# Altium PCB PCB2.PcbDoc (continued)
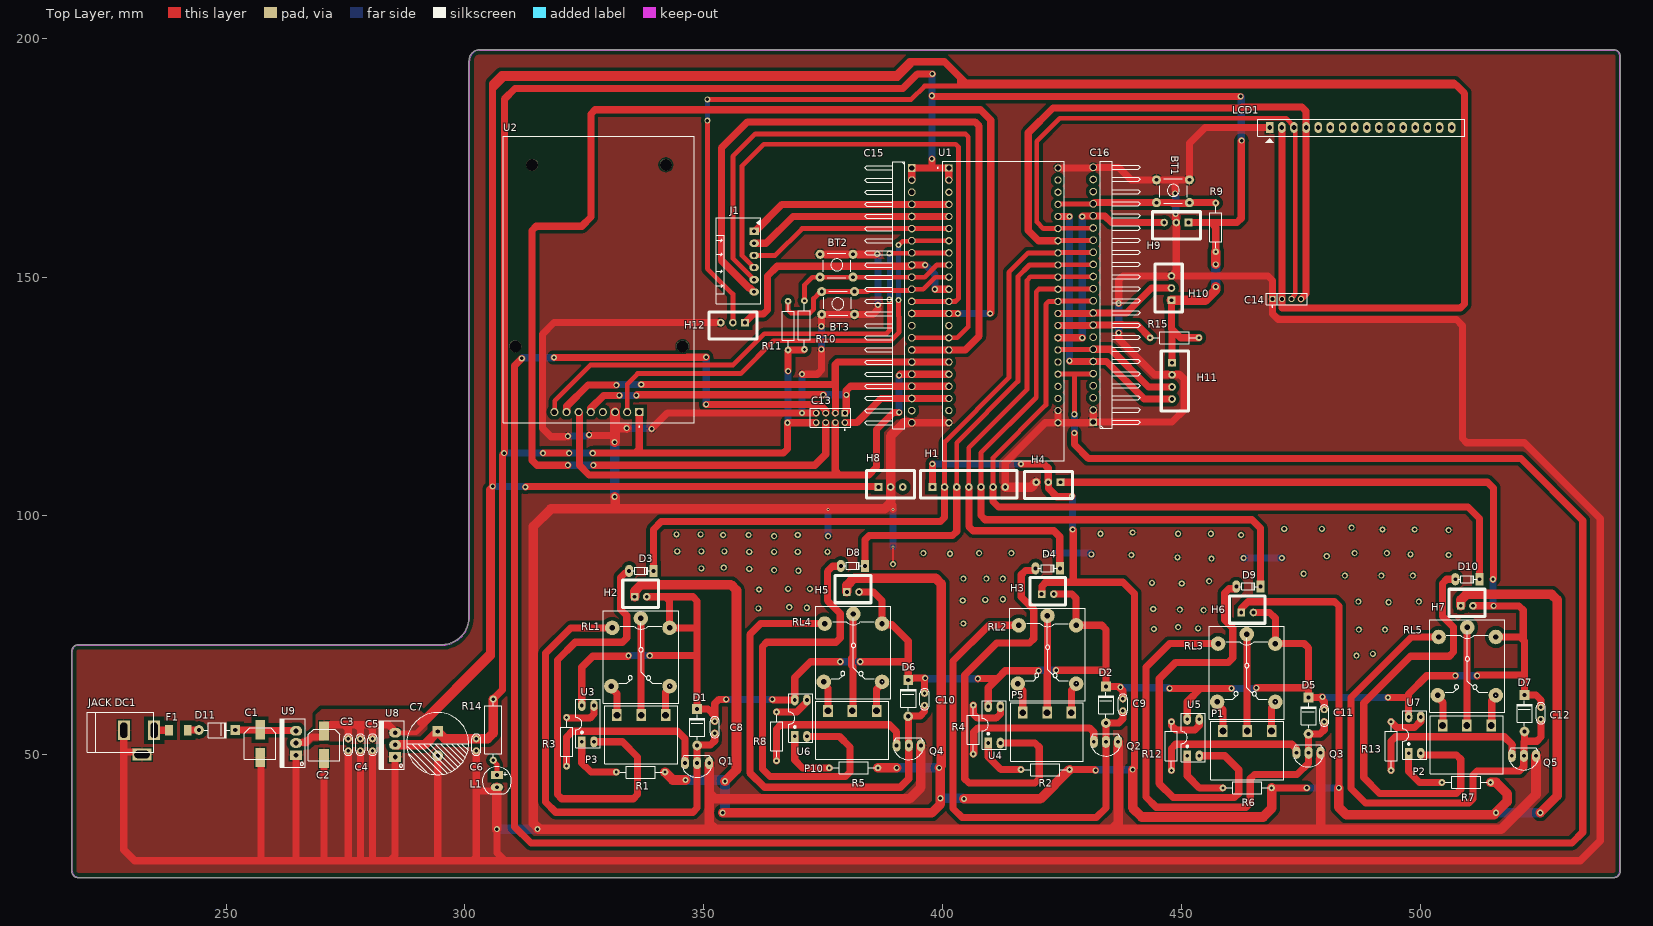
[diagram p0: Top Layer view]
## Nets (pads, with @x,y where several pads share a name; then routed paths per layer and width w, separated by ;. In a path a pad name is that pad's centre, name@x,y a point inside that pad or via, vN(x,y) a via of type N, cw(c..) or ccw(c..) an arc to the next point about the centre after c; other vN are vias at no path point) (continued)
  Top Layer w2: U8.2 291.527,52.07 C7.1 295.845,53.34 C6.1 304.771,53.34 305.943,54.512 R14.2 ; H10.1 455.041,145.161 457.2,147.32 v1(457.2,147.955) ; v1(457.2,152.654) R9.1
  Bottom Layer w1.5: v1(308.229,113.157) v1(316.357,113.157) ; v1(321.818,113.157) v1(326.771,113.157) ; v1(367.538,119.507) 367.665,119.634 v1(367.665,130.302) ; v1(397.764,174.752) 397.764,192.405 v1(397.891,192.532) ; v1(462.407,187.833) 462.534,187.706 462.534,178.647 v1(462.615,178.566)
  Bottom Layer w2: v1(457.2,147.955) v1(457.2,152.654)
DENAN: C16.13 D4.2 H1.4 U1.J3_10 | length 97.4
  Top Layer w1: H1.4 405.511,114.281 417.703,126.473 417.703,149.352 418.401,150.05 U1.J3_10@424.243,150.05 ; U1.J3_10 U1.J3_10@424.243,150.05 ; C16.13 431.482,150.05 U1.J3_10@424.243,150.05
  Top Layer w1.5: H1.4 405.511,97.78 406.39,96.901 423.291,96.901 424.561,95.631 D4.2
DENBAO: C16.11 D10.2 H1.6 U1.J3_12 | length 172.1
  Top Layer w1: H1.6 410.591,112.177 421.64,123.226 421.64,144.321 422.226,144.907 U1.J3_12 424.243,144.97 431.482,144.97 C16.11
  Top Layer w1.5: H1.6 410.593,106.043 410.593,102.995 411.734,101.854 510.032,101.854 512.445,99.441 D10.2
DENKHACH: C16.12 D9.2 H1.5 U1.J3_11 | length 135.7
  Top Layer w1: H1.5 408.051,113.229 419.608,124.786 419.608,146.893 420.194,147.479 U1.J3_11@424.212,147.479 ; U1.J3_11 U1.J3_11@424.212,147.479 ; C16.12 431.482,147.511 424.243,147.511 U1.J3_11@424.212,147.479
  Top Layer w1.5: H1.5 408.051,100.066 408.93,99.187 464.82,99.187 466.598,97.409 D9.2
DENNGU: C16.14 D8.2 H1.3 U1.J3_9 | length 100.7
  Top Layer w1: H1.3 402.971,115.333 415.798,128.16 415.798,150.114 418.211,152.527 U1.J3_9 ; U1.J3_9@424.243,152.59 431.482,152.59 C16.14
  Top Layer w1.5: D8.2 383.794,95.006 384.673,95.885 402.092,95.885 402.971,96.764 H1.3
DHT11: C16.10 H10.2 U1.J3_13 | length 26
  Top Layer w1.5: U1.J3_13 431.392,142.367 431.519,142.494 C16.10 438.531,142.494 443.738,147.701 H10.2
GAS_A0: C16.6 H11.4 U1.J3_5 | length 57.5
  Top Layer w1.5: U1.J3_5 v1(426.593,162.687) ; v1(426.593,132.461) 426.72,132.334 C16.6 431.565,132.315 434.359,132.315 442.214,124.46 H11.4
  Bottom Layer w1.5: v1@426.593,132.334 v1(426.593,132.461) v1(426.593,162.687)
GAS_D0: C16.7 H11.3 U1.J3_16 | length 27.2
  Top Layer w1: U1.J3_16 424.243,134.81 431.482,134.81 C16.7
  Top Layer w1.5: C16.7 435.229,134.874 443.103,127 H11.3
GND: "JACK DC1.2" "JACK DC1.3" BT1.1 BT2.1 BT3.1 C1.2 C2.2 C3.2 C4.2 C5.2 C6.2 C7.2 C13.4 C14.1 C15.22 C16.1 C16.2 C16.22 H1.7 H4.3 H8.2 H9.2 H10.3 H11.2 H12.3 L1.2 LCD1.1 Q1.1 Q2.1 Q3.1 Q4.1 Q5.1 U1.J1_22 U1.J3_1 U1.J3_21 U1.J3_22 U2.3 U8.1 U9.1 | length 1675.6
  Top Layer w0.5: v1(389.636,89.916) v2(389.636,93.472)
  Top Layer w1.5: 228.6,55.118 228.6,50.558 ; 232.41,50.038 231.89,50.558 228.6,50.558 ; C1.2 257.302,49.25 257.302,27.813 ; U9.1 264.668,28.067 264.414,27.813 ; C2.2 270.51,27.94 270.383,27.813 ; C3.2 275.59,27.813 ; C4.2 278.13,27.94 278.003,27.813 ; C5.2 280.67,28.194 281.051,27.813 ; U8.1 285.407,28.867 284.353,27.813 ; C7.2 294.321,28.383 293.751,27.813 ; C6.2 302.387,42.418 ; v1(306.705,34.417) 306.705,29.464 308.356,27.813 ; L1.2 306.22,43.18 305.458,42.418 302.387,42.418 ; v1(321.564,116.713) 321.437,116.586 318.008,116.586 316.23,118.364 316.23,138.049 318.643,140.462 H12.3 ; v1(326.009,116.967) 326.136,116.84 331.437,116.84 ; v1(339.09,118.237) 342.392,121.539 v1(370.586,121.539) 370.602,121.523 C13.4 ; v1(370.586,129.667) 373.771,129.667 374.65,130.546 v1(374.65,134.874) ; BT2.1@374.371,154.762 381.254,154.762 386.283,154.762 v1(386.334,154.813) ; v1(374.65,139.7) 374.65,142.138 374.701,142.189 381.584,142.189 385.455,142.189 386.461,143.195 v1(386.461,144.145) ; v2(376.047,101.346) v2@376.174,101.473 ; 389.128,102.743 389.636,102.235 v2(389.636,101.346) ; C15.22 U1.J1_22 ; H1.7 413.131,111.125 421.513,119.507 U1.J3_22 ; U1.J3_21 U1.J3_22 ; U1.J3_1 431.392,172.847 431.519,172.974 C16.22 436.826,172.974 439.442,170.358 444.805,170.358 448.691,170.358 ; C16.2 C16.1 ; v1(436.88,138.303) 436.88,137.033 444.354,129.559 448.037,129.559 H11.2 449.717,129.54 450.596,128.661 450.596,122.174 448.056,119.634 C16.1 ; v1(436.88,144.526) 436.88,149.362 437.759,150.241 H10.3 ; v1(448.691,167.513) 448.691,170.358 ; v1(448.818,163.195) 448.818,162.179 448.926,162.071 448.926,161.436 H9.2 ; H9.2@448.945,161.39 448.945,151.284 447.929,150.268 H10.3 ; LCD1.1 454.997,181.312 451.688,178.003 451.688,170.358 448.691,170.358 ; 228.6,50.558 228.6,30.099 230.886,27.813 257.302,27.813 ; 257.302,27.813 264.414,27.813 ; 264.414,27.813 270.383,27.813 ; 270.383,27.813 275.59,27.813 ; 275.59,27.813 278.003,27.813 ; 278.003,27.813 281.051,27.813 ; 281.051,27.813 284.353,27.813 ; 284.353,27.813 293.751,27.813 ; 293.751,27.813 301.625,27.813 ; 301.625,27.813 308.356,27.813 ; 301.625,27.813 302.387,28.575 302.387,42.418 ; 308.356,27.813 533.527,27.813 537.718,32.004 537.718,99.441 521.843,115.316 509.768,115.316 508.889,116.195 508.889,139.827 507.619,141.097 470.281,141.097 469.059,142.319 C14.1 469.059,149.304 468.122,150.241 H10.3 ; U1.J3_22 431.419,119.507 C16.1
  Top Layer w2: v1(306.705,34.417) L1.2 ; v1(315.214,34.417) 315.214,34.798 314.325,35.687 314.325,97.79 318.008,101.473 331.47,101.473 ; v1@315.595,34.417 352.327,34.417 ; v1(331.343,104.013) 331.47,103.886 331.47,101.473 ; v1(331.343,115.443) 331.437,115.537 331.437,116.84 331.437,118.491 ; U2.3 331.437,118.491 ; v1(333.883,118.364) 333.756,118.491 331.437,118.491 ; Q1.1 351.155,42.037 ; C15.22 391.922,119.507 389.128,116.713 H8.2 389.128,102.743 387.858,101.473 376.174,101.473 331.47,101.473 ; Q4.1 395.478,43.18 393.065,40.767 352.425,40.767 351.155,42.037 ; H1.7 418.592,106.045 H4.3 ; 435.835,34.671 436.753,35.589 Q2.1 ; Q3.1 479.171,34.544 479.044,34.417 ; Q5.1 524.256,41.656 517.017,34.417 479.044,34.417 ; 351.155,42.037 351.155,35.589 352.327,34.417 ; 352.327,34.417 479.044,34.417
  Bottom Layer w1.5: v1(321.564,116.713) 325.755,116.713 v1(326.009,116.967) ; v1(333.883,118.364) 338.963,118.364 v1(339.09,118.237) ; v1(370.586,121.539) v1(370.586,129.667) ; v1(374.65,134.874) v1(374.65,139.7) ; v1(376.047,95.758) v2(376.047,101.346) ; v1(386.334,154.813) 386.461,154.686 v1(386.461,144.145) ; v2(389.636,93.472) v2(389.636,101.346) ; v1(421.767,92.202) 430.911,92.202 v1(431.165,91.948) ; v1(436.88,138.303) v1(436.88,144.526) ; v1(448.691,167.513) 448.818,167.386 v1(448.818,163.195) ; v1(463.042,91.186) v1(471.043,91.186)
  Bottom Layer w2: v1(306.705,34.417) v1(315.214,34.417) ; v1(331.343,104.013) v1(331.343,115.443)
  other v1: 486.664,70.739 490.093,71.12 487.172,76.2 492.633,76.2 444.246,76.327 453.517,76.454 449.326,76.708 404.368,77.47 454.66,80.264 449.707,80.391 444.119,80.518 361.442,80.645 371.602,80.772 367.919,80.899 493.395,81.915 487.045,82.042 499.745,82.042 404.241,82.296 408.94,82.423 412.623,82.55 361.569,84.582 367.665,84.709 372.237,84.709 450.088,85.852 443.865,85.979 455.803,86.36 404.368,86.868 409.194,86.868 412.623,86.868 484.251,87.503 491.871,87.503 498.475,87.503 475.615,87.884 369.824,88.519 364.744,88.646 359.537,88.9 349.504,89.027 354.203,89.154 456.311,91.059 449.199,91.313 480.441,91.567 439.547,91.821 505.968,91.821 497.967,91.948 401.574,92.075 395.986,92.202 407.67,92.202 414.401,92.202 486.283,92.202 493.014,92.202 359.537,92.456 364.744,92.456 369.697,92.456 375.92,92.456 344.461,92.561 349.504,92.583 354.33,92.583 364.744,95.758 354.076,96.012 359.41,96.012 369.697,96.012 462.534,96.012 344.297,96.139 349.377,96.139 433.07,96.266 449.326,96.266 456.184,96.266 439.801,96.52 505.968,97.028 492.125,97.155 498.856,97.155 471.551,97.282 479.425,97.282 485.648,97.536
GPIO0: C16.9 R15.1 U1.J3_14 | length 20.6
  Top Layer w1.5: U1.J3_14 431.392,139.827 431.519,139.954 C16.9 435.985,139.954 436.134,140.103 437.626,140.103 437.775,139.954 440.797,139.954 R15.1
IRSENSOR: C16.18 H9.3 U1.J3_15 | length 48.2
  Top Layer w1.5: U1.J3_15 v1(429.26,137.287) ; v1(429.26,162.687) 429.368,162.795 431.527,162.795 C16.18 431.565,162.795 433.978,162.795 435.356,161.417 H9.3@446.378,161.417
  Bottom Layer w1.5: v1(429.26,137.287) v1(429.26,162.687)
LCD_SCL: C14.4 C16.16 LCD1.4 U1.J3_7 | length 135.5
  Top Layer w1: U1.J3_7 424.243,157.671 431.482,157.671 C16.16
  Top Layer w1.5: U1.J3_7 420.08,157.607 417.939,159.748 417.939,180.231 423.128,185.42 462.54,185.42 462.703,185.583 475.244,185.583 476.123,184.705 476.123,146.479 C14.4
LCD_SDA: C14.3 C16.17 LCD1.3 U1.J3_6 | length 122.5
  Top Layer w1: C16.17 431.482,160.21 424.243,160.21 U1.J3_6 421.132,160.147 419.735,161.544 419.735,178.435 424.555,183.255 471.936,183.255 473.583,181.607 473.583,180.8 473.837,180.546 473.837,146.385 473.509,146.057 473.509,145.946 473.059,145.496 C14.3
LORA_DIO0: C13.8 C15.20 U1.J1_20 | length 23.9
  Top Layer w1.5: C13.8 382.032,119.523 387.096,124.587 C15.20 U1.J1_20
LORA_NSS: C13.6 C15.13 U1.J1_13 | length 294.6
  Top Layer w1.5: v1(321.564,110.617) 315.087,110.617 314.071,111.633 314.071,159.776 314.95,160.655 324.485,160.655 326.39,162.56 326.39,184.16 327.269,185.039 407.924,185.039 410.083,182.88 410.083,142.494 v1(409.956,142.367) ; v1(326.898,110.617) 373.253,110.617 375.555,112.919 C13.6 ; C15.13 U1.J1_13 v1(403.225,142.367)
  Bottom Layer w1.5: v1(321.564,110.617) v1(326.898,110.617) ; v1(403.225,142.367) v1(409.956,142.367)
LORA_RST: C13.3 C16.5 U1.J3_18 | length 599.9
  Top Layer w1: U1.J3_18 424.243,129.731 427.609,129.731 ; v1(427.609,121.285) 427.609,129.731 ; C16.5 431.482,129.731 427.609,129.731
  Top Layer w1.5: v1(311.912,132.969) 310.388,131.445 310.388,34.925 313.817,31.496 531.759,31.496 534.035,33.772 534.035,99.06 521.081,112.014 430.53,112.014 427.609,114.935 v1(427.609,117.348) ; v1(318.665,133.159) 346.47,133.159 346.534,133.223 v1(350.52,133.223) ; v1(350.52,123.339) 374.285,123.339 375.555,122.069 C13.3
  Bottom Layer w1.5: v1(311.912,132.969) 312.039,133.096 318.602,133.096 v1(318.665,133.159) ; v1(350.52,123.339) v1(350.52,133.223) ; v1(427.609,117.348) v1(427.609,121.285)
MISO: C13.1 C15.19 U1.J1_19 U2.5 | length 82.1
  Top Layer w1.5: U2.5 326.357,122.522 329.057,125.222 v1(332.359,125.222) ; v1(335.915,125.222) 336.042,125.349 v1(375.031,125.349) ; C13.1 379.857,121.825 379.857,126.248 380.736,127.127 U1.J1_19
  Bottom Layer w1.5: v1(332.359,125.222) v1(335.915,125.222) ; v1(375.031,125.349) v1(379.857,125.349)
MOSI: C13.7 C15.18 U1.J1_18 U2.6 | length 118.6
  Top Layer w1.5: U2.6 323.817,121.688 323.977,121.528 323.977,110.607 325.999,108.585 378.434,108.585 ; C13.7 377.555,109.464 378.434,108.585 ; v1(390.906,121.666) 389.763,121.666 386.207,118.11 386.207,110.236 384.556,108.585 378.434,108.585 ; v1(390.906,129.413) 391.141,129.648 393.554,129.648 C15.18 U1.J1_18
  Bottom Layer w1.5: v1(390.906,121.666) v1(390.906,129.413)
MOTOR_ENA: C15.4 J1.1 U1.J1_4 | length 43.1
  Top Layer w1.5: J1.1 360.803,159.61 366.42,165.227 C15.4 U1.J1_4
MOTOR_ENB: C15.16 J1.6 U1.J1_16 | length 149
  Top Layer w1.5: J1.6 359.813,147.65 359.557,147.65 353.695,153.512 353.695,177.038 359.156,182.499 406.791,182.499 407.67,181.62 407.67,137.668 404.749,134.747 U1.J1_16 C15.16
MOTOR_IN1: C15.5 J1.2 U1.J1_5 | length 43.1
  Top Layer w1.5: J1.2 363.064,157.07 368.681,162.687 C15.5 U1.J1_5
MOTOR_IN2: C15.6 J1.3 U1.J1_6 | length 43.1
  Top Layer w1: J1.3 364.969,154.53 370.586,160.147 C15.6 U1.J1_6
MOTOR_IN3: C15.12 J1.4 U1.J1_12 | length 111.5
  Top Layer w1: J1.4 358.013,154.53 358.013,173.228 362.585,177.8 402.766,177.8 403.352,177.214 403.352,145.542 402.717,144.907 U1.J1_12 C15.12
MOTOR_IN4: C15.15 J1.5 U1.J1_15 | length 131.7
  Top Layer w1: J1.5 356.108,153.895 356.108,175.26 360.807,179.959 404.798,179.959 405.384,179.373 405.384,139.573 403.098,137.287 C15.15
NetC1_1: C1.1 D11.2 U9.3 | length 12.8
  Top Layer w1.5: D11.2 257.075,55.171 C1.1 257.259,55.093 264.566,55.093 U9.3
NetC8_2: C8.2 D1.1 Q1.2 RL1.4 | length 99.1
  Top Layer w1.5: RL1.4 322.173,76.555 316.865,71.247 316.865,40.132 319.024,37.973 347.736,37.973 348.615,38.852 Q1.2 D1.1 348.717,52.045 351.419,52.045 352.298,52.923 C8.2
NetC9_2: C9.2 D2.1 Q2.2 RL2.4 | length 104.7
  Top Layer w1.5: RL2.4 409.706,77.093 402.209,69.596 402.209,38.735 404.114,36.83 432.181,36.83 434.213,38.862 Q2.2 D2.1 436.89,56.642 437.769,57.521 C9.2
NetC10_2: C10.2 D6.1 Q4.2 RL4.4 | length 99.1
  Top Layer w1.5: RL4.4 361.944,77.464 359.664,75.184 359.664,46.228 362.712,43.18 391.138,43.18 392.938,44.98 Q4.2 392.904,51.977 392.904,57.946 D6.1 392.913,58.141 395.361,58.141 396.24,59.019 C10.2
NetC11_2: C11.2 D5.1 Q3.2 RL3.4 | length 97.5
  Top Layer w1.5: RL3.4 447.522,73.253 442.595,68.326 442.595,41.148 444.736,39.007 463.56,39.007 464.439,39.886 464.439,44.968 465.318,45.847 474.218,45.847 476.597,48.226 476.597,50.385 Q3.2 D5.1 479.054,54.356 479.933,55.235 C11.2
NetC12_2: C12.2 D7.1 Q5.2 RL5.4 | length 101.1
  Top Layer w1.5: RL5.4 498.195,74.65 485.521,61.976 485.521,42.926 488.569,39.878 510.169,39.878 511.048,40.757 511.048,45.73 511.927,46.609 520.804,46.609 521.682,47.488 521.682,49.75 Q5.2 521.75,49.818 521.75,52.739 521.843,52.832 ; D7.1 521.843,52.832 ; C12.2 525.272,53.711 524.393,52.832 521.843,52.832
NetD3_1: D3.1 U3.2 | length 96.2
  Top Layer w1.5: U3.2 332.994,52.705 336.169,49.53 336.169,41.646 335.29,40.767 320.294,40.767 319.415,41.646 319.415,69.86 323.088,73.533 333.004,73.533 333.883,74.412 333.883,79.121 332.613,80.391 332.613,87.091 333.538,88.016 334.321,88.016 334.391,88.086 D3.1
NetD4_1: D4.1 U4.2 | length 89.1
  Top Layer w1.5: U4.2 419.364,52.451 420.243,51.572 420.243,44.948 419.364,44.069 405.522,44.069 404.644,44.948 404.644,66.697 411.353,73.406 418.221,73.406 419.1,74.285 419.1,80.391 416.488,83.003 416.488,87.675 417.366,88.554 419.411,88.554 419.481,88.623 D4.1
NetD8_1: D8.1 U6.2 | length 95.5
  Top Layer w1.5: U6.2 378.373,53.848 380.619,51.602 380.619,46.385 379.678,45.444 363.877,45.444 362.331,46.99 362.331,72.654 363.21,73.533 377.708,73.533 378.587,74.412 378.587,79.587 375.92,82.254 375.92,88.392 376.992,89.464 378.644,89.464 378.714,89.533 D8.1
NetD9_1: D9.1 U5.2 | length 90.1
  Top Layer w1.5: U5.2 453.771,49.414 453.782,49.403 453.782,49.784 459.105,49.784 462.026,46.863 462.026,41.9 461.147,41.021 448.31,41.021 445.389,43.942 445.389,65.913 448.818,69.342 459.877,69.342 460.756,70.221 460.756,76.551 459.105,78.202 459.105,83.865 459.984,84.744 461.448,84.744 461.518,84.813 D9.1
NetD10_1: D10.1 U7.2 | length 94.6
  Top Layer w1.5: U7.2 500.126,49.929 500.137,49.917 507.629,49.917 508.508,49.039 508.508,42.789 507.629,41.91 491.49,41.91 488.188,45.212 488.188,60.833 497.967,70.612 506.105,70.612 506.984,71.491 506.984,76.708 504.698,78.994 504.698,85.857 505.577,86.735 507.359,86.735 D10.1
NetD11_1: D11.1 F1.2 | length 2.4
  Top Layer w1.5: F1.2 242.012,55.144 244.299,55.144 D11.1
NetF1_1: "JACK DC1.1" F1.1 | length 3.1
  Top Layer w1.5: 234.95,55.118 F1.1
NetL1_1: L1.1 R14.1 | length 3.3
  Top Layer w1: R14.1@305.974,48.749 305.984,48.749 306.705,48.028 L1.1
NetP1_1: P1.1 RL3.2 | length 6.4
  Top Layer w1.5: P1.1 468.884,59.829 469.69,60.635 RL3.2
NetP1_2: P1.2 RL3.1 | length 20.3
  Top Layer w1.5: RL3.1 463.747,75.196 463.747,55.028 P1.2
NetP1_3: P1.3 RL3.3 | length 6.6
  Top Layer w1.5: RL3.3 457.498,60.635 458.711,59.421 P1.3
NetP2_1: P2.1 RL5.2 | length 6.4
  Top Layer w1.5: P2.1@514.985,56.368 514.985,61.335 515.858,62.208 RL5.2
NetP2_2: P2.2 RL5.1 | length 20.2
  Top Layer w1.5: P2.2@509.793,56.48 509.793,76.586 RL5.1
NetP2_3: P2.3 RL5.3 | length 6.6
  Top Layer w1.5: RL5.3 503.666,62.032 504.812,60.886 P2.3@504.812,56.368
NetP3_1: P3.1 RL1.2 | length 6.4
  Top Layer w1.5: P3.1 342.011,63.091 342.856,63.937 RL1.2
NetP3_2: P3.2 RL1.1 | length 20.3
  Top Layer w1.5: RL1.1 336.894,78.518 336.894,58.311 P3.2
NetP3_3: P3.3 RL1.3 | length 6.6
  Top Layer w1.5: RL1.3 330.664,63.937 331.838,62.762 P3.3
NetP5_1: P5.1 RL2.2 | length 6.5
  Top Layer w1.5: P5.1 426.974,63.517 427.974,64.517 RL2.2
NetP5_2: P5.2 RL2.1 | length 20.3
  Top Layer w1.5: P5.2 421.894,59.292 421.912,59.31 421.912,66.815 421.974,66.877 RL2.1
NetP5_3: P5.3 RL2.3 | length 6.5
  Top Layer w1.5: RL2.3 415.782,64.474 416.801,63.455 P5.3
NetP10_1: P10.1 RL4.2 | length 6.6
  Top Layer w1.5: P10.1 386.196,63.707 387.334,64.845 RL4.2
NetP10_2: P10.2 RL4.1 | length 20.6
  Top Layer w1.5: P10.2 381.225,59.291 381.225,68.476 380.978,68.723 380.978,70.215 381.225,70.462 381.225,79.355 RL4.1
NetP10_3: P10.3 RL4.3 | length 6.4
  Top Layer w1.5: RL4.3 375.142,64.845 376.023,63.964 P10.3
NetQ1_3: Q1.3 R3.2 | length 37.1
  Top Layer w1.5: R3.2 321.31,53.721 322.487,54.898 344.517,54.898 346.075,53.34 Q1.3
NetQ2_3: Q2.3 R4.2 | length 32.5
  Top Layer w1.5: R4.2 406.444,50.186 406.527,50.269 406.527,54.747 407.406,55.626 430.784,55.626 431.673,54.737 Q2.3
NetQ3_3: Q3.3 R12.2 | length 32.3
  Top Layer w1.5: R12.2 447.929,51.318 448.808,52.197 473.124,52.197 474.057,51.264 474.057,50.453 Q3.3
NetQ4_3: Q4.3 R8.2 | length 35.6
  Top Layer w1.5: R8.2 365.252,55.382 366.131,56.261 388.874,56.261 390.398,54.737 Q4.3
NetQ5_3: Q5.3 R13.2 | length 34.9
  Top Layer w1.5: R13.2 493.903,52.842 494.816,53.755 517.618,53.755 519.303,52.07 519.21,51.977 519.21,49.818 Q5.3
NetR1_1: R1.1 U3.1 | length 12.5
  Top Layer w1.5: U3.1 324.485,48.26 326.39,46.355 R1.1
NetR2_1: R2.1 U4.1 | length 10.9
  Top Layer w1.5: U4.1 409.575,49.53 412.213,46.892 R2.1
NetR3_1: R3.1 U3.3 | length 7.9
  Top Layer w1.5: R3.1 321.457,57.658 326.142,57.658 327.02,58.537 327.02,60.32 U3.3
NetR4_1: R4.1 U4.3 | length 9.7
  Top Layer w1.5: R4.1 406.444,58.537 407.322,57.658 411.224,57.658 412.11,58.544 412.11,60.066 U4.3
NetR5_1: R5.1 U6.1 | length 12.9
  Top Layer w1.5: U6.1 369.062,48.895 370.713,47.244 R5.1
NetR6_1: R6.1 U5.1 | length 12.7
  Top Layer w1.5: U5.1 451.231,45.593 453.771,43.053 R6.1
NetR7_1: R7.1 U7.1 | length 11.7
  Top Layer w1.5: U7.1 497.586,46.482 499.872,44.196 R7.1
NetR8_1: R8.1 U6.3 | length 7.6
  Top Layer w1.5: R8.1 369.486,58.948 371.597,61.06 371.597,61.463 U6.3
NetR12_1: R12.1 U5.3 | length 8.7
  Top Layer w1.5: R12.1 447.929,56.09 448.808,55.211 452.88,55.211 453.766,56.097 453.766,57.399 U5.3
NetR13_1: R13.1 U7.3 | length 8.1
  Top Layer w1.5: R13.1 495.1,55.719 498.822,55.719 500.121,57.018 500.121,57.907 U7.3
NUT1: BT2.2 C15.10 R10.2 U1.J1_9 | length 35.2
  Top Layer w1: R10.2 371.094,148.336 372.745,149.987 381.254,149.987 C15.10 396.24,149.987 398.78,152.527 U1.J1_9
NUT2: BT3.2 C15.11 R11.2 U1.J1_10 | length 40.2
  Top Layer w1: R11.2 367.665,143.08 368.251,142.494 372.237,142.494 372.999,143.256 372.999,145.507 374.456,146.964 384.308,146.964 384.537,147.193 392.895,147.193 393.034,147.332 393.458,147.332 C15.11 395.986,147.447 398.526,149.987 U1.J1_10
NUTTAT: BT1.2 C16.19 R9.2 U1.J3_4 | length 33.3
  Top Layer w1: U1.J3_4 424.243,165.29 431.482,165.29 C16.19
  Top Layer w1.5: C16.19 431.573,165.354 431.802,165.583 448.084,165.583 448.199,165.468 451.464,165.468 451.579,165.583 457.078,165.583 457.16,165.501 R9.2
QUAT: C16.15 D3.2 H1.2 U1.J3_8 | length 147
  Top Layer w1: H1.2 400.431,115.443 413.893,128.905 413.893,151.003 417.957,155.067 U1.J3_8 424.243,155.13 431.482,155.13 C16.15
  Top Layer w1.5: D3.2 339.471,97.155 341.122,98.806 399.552,98.806 400.431,99.685 H1.2
RFID_RST: C15.7 U1.J1_7 U2.2 | length 96.5
  Top Layer w1: U2.2 333.977,127.602 336.169,129.794 357.759,129.794 364.617,136.652 389.128,136.652 390.906,138.43 390.906,141.695 390.779,141.822 v1(390.779,145.161) ; v1(390.779,156.718) 390.852,156.718 391.626,157.492 393.458,157.492 C15.7 U1.J1_7
  Bottom Layer w1: v1(390.779,145.161) v1(390.779,156.718)
RFID_SDA: C15.8 U1.J1_8 U2.8 | length 107.2
  Top Layer w1: U2.8 318.802,121.814 318.802,124.111 326.263,131.572 356.108,131.572 362.686,138.15 388.262,138.15 388.874,138.762 v1(388.874,145.288) ; v1(388.874,154.94) 388.926,154.992 393.498,154.992 C15.8 U1.J1_8
  Bottom Layer w1: v1(388.874,145.288) v1(388.874,154.94)
RY_VCC: C8.1 C9.1 C10.1 C11.1 C12.1 D1.2 D2.2 D5.2 D6.2 D7.2 H2.2 H3.2 H4.1 H5.2 H6.2 H7.2 RL1.5 RL2.5 RL3.5 RL4.5 RL5.5 U3.4 U4.4 U5.4 U6.4 U7.4 | length 533.1
  Top Layer w1.5: U3.4 324.485,68.326 326.771,70.612 334.137,70.612 v1(334.264,70.739) ; H2.2 341.977,83.086 ; v1(338.709,70.739) 348.615,70.739 D1.2 350.911,59.563 352.298,58.176 ; 348.615,70.797 348.615,76.555 ; C8.1 352.298,58.176 ; v1(354.711,61.595) 353.177,61.595 352.298,60.716 352.298,58.176 ; v1(364.363,61.595) 364.49,61.468 U6.4 369.062,66.167 372.364,69.469 v1(378.587,69.469) ; H5.2 382.526,84.072 385.574,84.072 387.334,82.312 RL4.5 387.603,77.195 389.403,77.195 392.811,73.787 392.811,69.088 ; v1(382.778,69.469) 392.43,69.469 392.811,69.088 ; C10.1 v1@396.24,65.659 ; v1(396.367,66.04) 393.956,66.04 393.841,65.925 393.077,65.925 D6.2 392.811,69.088 ; v1(407.416,65.913) 407.479,65.977 411.543,65.977 ; U4.4 409.575,64.008 411.543,65.977 ; v1(420.116,67.564) 413.131,67.564 411.543,65.977 ; H3.2 427.096,83.624 427.974,82.745 RL2.5 433.334,77.093 434.213,76.214 434.213,67.945 ; v1(423.799,67.691) 433.959,67.691 434.213,67.945 ; H4.1 514.096,107.061 515.366,105.791 515.366,86.868 v1(515.239,86.741) ; v1(437.261,64.135) v1@437.017,64.135 ; C9.1 437.769,63.383 v1@437.017,64.135 ; v1(447.548,63.881) 454.025,63.881 ; U5.4 451.231,61.087 454.025,63.881 ; v1(460.502,63.881) 454.025,63.881 ; H6.2 468.475,79.784 469.69,78.569 RL3.5 475.752,73.253 476.631,72.375 476.631,63.754 ; v1(465.709,64.008) 476.377,64.008 476.631,63.754 ; v1(479.552,62.103) 479.181,62.103 v1@479.054,61.976 ; C11.1 479.933,61.097 v1@479.054,61.976 ; v1(493.268,61.976) 497.586,61.976 ; U7.4 497.586,61.976 ; v1(507.365,66.548) 501.396,66.548 497.586,62.738 497.586,61.976 ; H7.2 515.338,81.181 v1(515.366,81.153) 520.703,81.153 521.581,80.274 521.581,74.65 521.581,74.033 ; v1(511.937,66.548) 512.064,66.675 521.843,66.675 ; RL5.5 520.964,74.65 521.843,73.772 521.843,66.675 ; C12.1 525.272,61.468 524.256,62.484 D7.2 521.843,66.675 ; 341.977,83.086 342.856,82.208 RL1.5 348.615,76.555 ; 341.977,83.086 347.736,83.086 348.615,82.208 348.615,76.555 ; 434.213,67.945 D2.2 436.89,64.262 v1@437.017,64.135 ; 476.631,63.754 D5.2 v1@479.054,61.976
  Bottom Layer w1.5: v1(334.264,70.739) v1(338.709,70.739) ; v1(354.711,61.595) v1(364.363,61.595) ; v1(378.587,69.469) v1(382.778,69.469) ; v1(396.367,66.04) 396.494,65.913 v1(407.416,65.913) ; v1(420.116,67.564) 420.243,67.691 v1(423.799,67.691) ; v1(437.261,64.135) 437.374,64.022 447.407,64.022 v1(447.548,63.881) ; v1(460.502,63.881) 465.582,63.881 v1(465.709,64.008) ; v1(479.552,62.103) 479.679,61.976 v1(493.268,61.976) ; v1(507.365,66.548) v1(511.937,66.548) ; v1(515.239,86.741) 515.239,81.28 v1(515.366,81.153)
SCK: C13.2 C15.17 U1.J1_17 U2.7 | length 93.6
  Top Layer w1.5: U2.7 321.32,121.792 321.32,122.946 325.755,127.381 v1(331.724,127.381) ; v1(336.931,127.508) 377.593,127.508 ; C13.2 377.593,121.561 377.593,127.978 377.555,128.016 377.555,131.683 378.079,132.207 C15.17 U1.J1_17
  Bottom Layer w1.5: v1(331.724,127.381) 331.851,127.508 v1(336.931,127.508)
SEVOR: C15.9 H12.1 U1.J1_11 | length 55.7
  Top Layer w1.5: H12.1 360.426,142.24 362.468,142.24 363.347,143.119 363.347,150.241 365.379,152.273 393.292,152.273 393.546,152.527 v1(396.367,152.527) ; v1(398.399,147.447) U1.J1_11
  Bottom Layer w1.5: v1(396.367,152.527) 398.399,150.495 v1(398.399,147.447)
VCC: H1.1 H2.1 H3.1 H4.2 H5.1 H6.1 H7.1 R1.2 R2.2 R5.2 R6.2 R7.2 | length 614.5
  Top Layer w1.5: H1.1 v1(397.891,110.871) ; v1(416.433,110.871) 421.269,110.871 422.148,109.992 H4.2 422.167,107.042 422.167,105.772 423.926,104.013 426.974,104.013 v1(427.101,104.14) ; H3.1 420.801,83.674 420.801,85.277 421.63,86.106 427.355,86.106 ; R2.2 431.898,46.892 v1(432.054,46.736) ; v1(427.228,97.155) 427.355,97.028 427.355,86.106 ; v1(439.801,46.863) 440.182,47.244 440.182,83.693 437.769,86.106 427.355,86.106 ; H6.1 462.584,79.834 462.584,80.655 463.971,82.042 482.092,82.042 482.981,81.153 v1(482.981,43.053) ; R6.2 v1(476.25,43.053)
  Top Layer w2: H2.1 335.534,84.201 336.931,85.598 355.698,85.598 356.87,84.426 356.87,46.863 v1(354.457,44.45) ; R1.2 343.555,44.704 v1(346.202,44.704) ; v1(353.949,37.846) 397.764,37.846 399.542,39.624 v1(399.542,40.894) 399.542,46.99 v1(399.288,47.244) 399.712,47.668 399.712,85.793 398.54,86.965 381.507,86.965 379.984,85.442 H5.1 ; R5.2 v1(390.398,47.244) ; v1(404.495,40.767) 420.488,40.767 R2.2 ; v1(439.801,46.863) 439.801,38.862 441.706,36.957 467.106,36.957 468.904,38.755 R6.2 ; v1(482.981,43.053) 482.981,38.989 484.505,37.465 515.493,37.465 518.221,40.193 518.221,41.849 515.874,44.196 R7.2 ; H7.1 508.508,82.394 509.68,83.566 527.529,83.566 528.701,82.394 528.701,41.402 v1(525.145,37.846)
  Bottom Layer w1.5: v1(397.891,110.871) v1(416.433,110.871) ; v1(427.101,104.14) 427.228,104.013 v1(427.228,97.155) ; v1(432.054,46.736) 432.181,46.863 v1(439.801,46.863) ; v1(476.25,43.053) v1(482.981,43.053)
  Bottom Layer w2: v1(346.202,44.704) 354.203,44.704 v1(354.457,44.45) 354.457,38.354 v1(353.949,37.846) ; v1(390.398,47.244) v1(399.288,47.244) ; v1(399.542,40.894) 404.368,40.894 v1(404.495,40.767) ; v1(515.874,37.846) v1(525.145,37.846)
pads on no net: C15.3 C15.14 C15.21 C16.3 C16.4 C16.8 C16.20 C16.21 LCD1.5 LCD1.6 LCD1.7 LCD1.8 LCD1.9 LCD1.10 LCD1.11 LCD1.12 LCD1.13 LCD1.14 LCD1.15 LCD1.16 U1.J1_3 U1.J1_14 U1.J1_21 U1.J3_2 U1.J3_3 U1.J3_17 U1.J3_19 U1.J3_20 U2. U2.4

## Polygon pours and split planes (outlines as drawn)
GND on Top Layer "NONET_L-01_P-001" (solid, remove dead copper, pour order 1): 213.106,203.835 207.01,197.739 207.01,16.891 566.293,16.891 566.801,17.399 557.911,26.289 557.911,204.851
5V on Top Layer "NONET_L-01_P-001" (solid, remove dead copper, pour order 0): 266.319,51.816 267.208,51.816 268.224,52.832 274.701,52.832 275.209,52.324 282.194,52.324 283.337,53.467 290.195,53.467 292.1,55.372 292.1,57.912 290.449,59.563 270.002,59.563 268.815,58.376 268.815,55.582 266.827,53.594 263.906,53.594 263.144,52.832 263.144,52.07 263.779,51.435 265.938,51.435 266.065,51.562 265.938,51.435 266.065,51.562

## Keep-outs
Keep-Out Layer:
  lines w0.254: 295.021,72.898 ccw(c295.021,78.867) 300.99,78.867 300.99,80.167 300.99,195.326 cw(c303.149,195.326) 303.149,197.485 512.826,197.485 513.08,197.485 540.512,197.485 cw(c540.512,196.215) 541.782,196.215 541.782,25.654 cw(c540.512,25.654) 540.512,24.384 219.075,24.384 cw(c219.075,25.654) 217.805,25.654 217.805,71.628 cw(c219.075,71.628) 219.075,72.898 295.245,72.898